# Altium PCB CMRat_GEN2.8.PcbDoc (part 2 of 4)
Units mm, origin at the board's own origin, x right, y up, seen from the top; angles counter-clockwise.
Board outline 120 x 55 mm, 4 copper layers (L1 [TOP], L2, L3, L4 [BOT]), stack 1.564 mm thick; 209 components, 138 nets, 839 pads, 645 vias.
Unrouted connection lines stored in the file: 141.
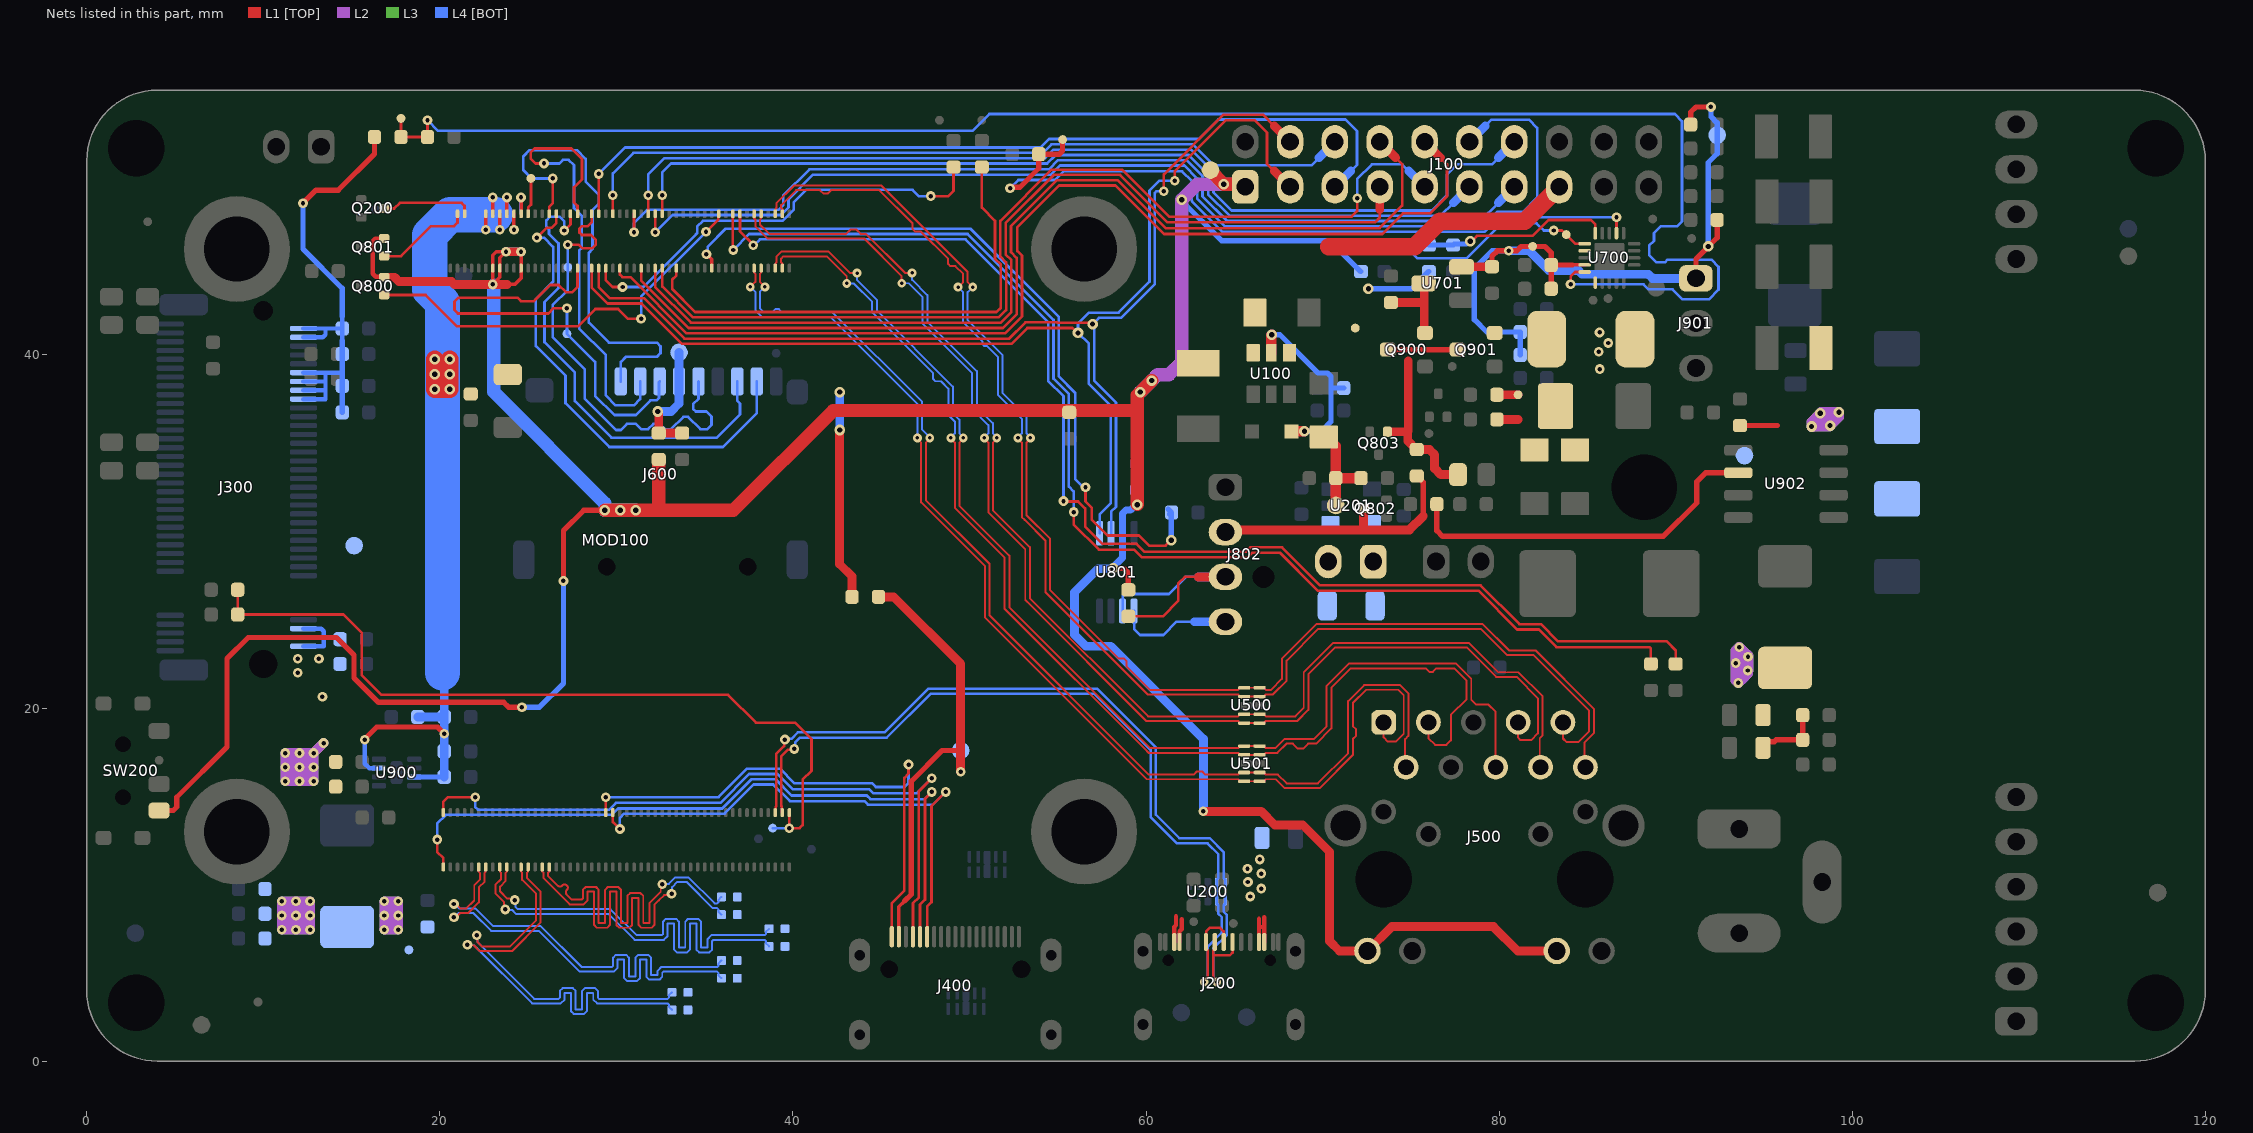
[diagram p4: the nets of this part, all layers, seen from the top]

## Via types
v1: diameter 0.55, hole 0.25, L1 [TOP] to L4 [BOT], 273 vias
v2: diameter 0.6, hole 0.3, L1 [TOP] to L4 [BOT], 225 vias
v3: diameter 0.5, hole 0.2, L1 [TOP] to L4 [BOT], 77 vias
v4: diameter 0.6, hole 0.3, L1 [TOP] to L4 [BOT], tented both sides, 70 vias

## Nets (pads, with @x,y where several pads share a name; then routed paths per layer and width w, separated by ;. In a path a pad name is that pad's centre, name@x,y a point inside that pad or via, vN(x,y) a via of type N, cw(c..) or ccw(c..) an arc to the next point about the centre after c; other vN are vias at no path point) (continued)
+3V3: C800.2 J100.1 J500.15 J500.17 MOD100.78 MOD100.84 MOD100.86 Q800.2 Q801.2 R400.2 R600.2 R701.1 R801.2 SW200.3 TP922.1 U801.3 | length 210.5
  L1 [TOP] w0.2: 23.8,43.995 24.245,43.995 24.6,44.35 MOD100.78@24.6,44.92 v1(24.6,45.845) v1@24.6,45.85 ; v1(23,43.995) 23.4,44.395 MOD100.84@23.4,44.92 23.4,45.5 v1(23.75,45.85) 23.2,45.85 23,45.65 MOD100.86@23,44.92 v1(23,43.995)
  L1 [TOP] w0.25: Q800.2@16.85,44.4 16.82,44.43 16.373,44.43 16.198,44.606 16.198,46.452 16.345,46.6 Q801.2@16.85,46.6
  L1 [TOP] w0.3: SW200.3@4.1,14.2 4.9,14.2 5.1,14.4 5.1,14.95 7.95,17.8 7.95,22.8 9.15,24 14.14,24 15.141,22.999 15.141,21.705 16.521,20.325 23.623,20.325 23.898,20.05 v1(24.65,20.05) ; v1(27,27.2) 27,30.05 28.15,31.2 v2(29.35,31.2) ; v2@58.15,27.9 58.75,27.9 59,27.65 R801.2@59,26.7
  L1 [TOP] w0.5: Q800.2@16.85,44.4 17.445,44.4 17.682,44.164 20.661,44.164 20.825,44 22.995,44 v1(23,43.995) 23.8,43.995 ; v1(23.75,45.85) v1@24.595,45.85 ; 32.35,31.35 32.4,31.3 32.5,31.2 ; v1(63.25,14.15) 66.525,14.15 67.3,13.375 68.875,13.375 70.4,11.85 70.4,6.8 70.96,6.24 J500.15@72.545,6.24 73.925,7.62 79.68,7.62 81.06,6.24 J500.17@83.265,6.24
  L1 [TOP] w0.75: v2(29.35,31.2) v2(30.225,31.2) v2(31.1,31.2) 32.5,31.2 36.625,31.2 42.275,36.85 59.5,36.85 ; 32.4,31.3 R600.2@32.4,34.075 ; v2(59.501,31.525) 59.5,31.526 59.5,36.85 ; v4(60.325,38.55) 59.5,37.725 59.5,36.85 ; TP922.1@63.626,50.451 v4(64.4,49.677) 65.463,49.677 J100.1@65.62,49.52
  L2 w0.5: v1(23.75,45.85) 23.753,45.848 24.598,45.848 v1(24.6,45.845)
  L2 w0.75: v2(29.35,31.2) v2(30.225,31.2) v2(31.1,31.2) ; v4(59.675,37.9) v4(60.325,38.55) 60.65,38.875 61.3,38.875 62.025,39.6 v4(62.025,48.8) 62.902,49.677 v4(64.4,49.677) 65.463,49.677 J100.1@65.62,49.52
  L3 w0.5: v1(23.75,45.85) 23.753,45.848 24.598,45.848 v1(24.6,45.845)
  L4 [BOT] w0.25: v2@59.5,31.5 v2(59.501,31.525) C800.2@59.5,32.35
  L4 [BOT] w0.3: v1(24.65,20.05) 25.65,20.05 27,21.4 v1(27,27.2) ; v4(62.025,48.8) 62.025,48.725 64.275,46.475 70.4,46.475 72.15,44.725 R701.1@72.175,44.725
  L4 [BOT] w0.4: v2(58.142,27.915) 58.142,27.983 58.675,28.516 U801.3@58.675,29.9 58.675,31.025 58.874,31.224 59.134,31.224 59.434,31.525 v2(59.501,31.525) v2(59.501,31.525)
  L4 [BOT] w0.5: v2@58.15,27.9 58.14,27.89 57.28,27.89 55.95,26.561 55.95,24.15 56.6,23.5 58,23.5 63.25,18.25 v1(63.25,14.15)
  L4 [BOT] w0.75: v1@23.05,43.945 23.05,37.914 29.35,31.614 v2(29.35,31.2) v2(30.225,31.2) v2(31.1,31.2)
+3V3_PBC: C701.2 C702.2 C704.2 J901.1 R703.2 R711.2 R712.2 R715.2 TP904.1 TP905.1 U700.4 U701.2 | length 44.7
  L1 [TOP] w0.2: 84.15,45.1 U700.4@84.85,45.1
  L1 [TOP] w0.3: C704.2@79.6,45 79.6,45.6 79.9,45.9 v1(80.55,45.9) 81,45.9 81.25,46.15 TP904.1@81.9,46.15 82.6,46.15 82.95,45.8 C701.2@82.95,45.1 ; C702.2@82.95,43.75 C701.2@82.95,45.1 ; 84.15,45.1 C701.2@82.95,45.1 ; R703.2@90.85,53.05 90.85,53.75 91.15,54.05 v1(92,54.05) ; J901.1@91.15,44.34 91.15,45.438 92.35,46.638 R715.2@92.35,47.65
  L1 [TOP] w0.5: U701.2@77.875,45 C704.2@79.6,45
  L4 [BOT] w0.3: v1(80.55,45.9) 79.608,45.9 78.6,44.892 78.6,42 79.3,41.3 R712.2@81.2,41.3 R711.2@81.2,40 ; v2(91.85,46.15) 91.85,50.9 92.35,51.4 TP905.1@92.35,52.45 92.35,53.15 92,53.5 v1(92,54.05)
  L4 [BOT] w0.5: v1(80.55,45.9) 81.7,45.9 82.81,44.79 84.485,44.79 84.699,44.576 88.46,44.576 88.696,44.34 J901.1@91.15,44.34
+3V3_PCIE: C303.2 C304.2 C307.2 C308.2 C309.2 C310.2 C900.2 C912.2 C914.2 C919.2 C920.2 J300.2 J300.4 J300.12 J300.14 J300.16 J300.18 J300.70 J300.72 J300.74 L903.2 R702.1 R904.2 TP303.1 TP304.1 | length 93.8
  L1 [TOP] w0.3: v1(12.25,48.6) 12.988,49.338 14.245,49.338 16.3,51.393 R702.1@16.3,52.35
  L2 w0.55: v1(13.416,18.016) v1(12.85,17.45) ; 11.45,7.45 11.45,9.05 ; 11.45,7.45 v1(11.85,7.45) ; 11.45,7.45 v1(11.05,7.45) v1(11.05,8.25) v1(11.05,9.05) 11.45,9.05 ; 11.45,9.05 v1(11.85,9.05) ; 11.65,15.85 11.65,17.45 ; 11.65,15.85 v1(12.05,15.85) ; 11.65,15.85 v1(11.25,15.85) v1(11.25,16.65) v1(11.25,17.45) 11.65,17.45 ; 11.65,17.45 v1(12.05,17.45) ; v1(11.85,7.45) 12.25,7.45 ; v1(11.85,7.45) v1(11.85,8.25) v1(11.85,9.05) ; v1(11.85,9.05) 12.25,9.05 ; v1(12.05,15.85) 12.45,15.85 ; v1(12.05,15.85) v1(12.05,16.65) v1(12.05,17.45) ; v1(12.05,17.45) 12.45,17.45 ; 12.25,7.45 12.25,9.05 ; 12.25,7.45 v1(12.65,7.45) v1(12.65,8.25) v1(12.65,9.05) 12.25,9.05 ; 12.45,15.85 12.45,17.45 ; 12.45,15.85 v1(12.85,15.85) v1(12.85,16.65) v1(12.85,17.45) ; 12.45,17.45 v1(12.85,17.45) ; 17.25,7.45 17.25,9.05 ; 17.25,7.45 v1(17.65,7.45) v1(17.65,8.25) v1(17.65,9.05) 17.25,9.05 ; 17.25,7.45 v1(16.85,7.45) v1(16.85,8.25) v1(16.85,9.05) 17.25,9.05
  L3 w0.55: v1(13.416,18.016) v1(12.85,17.45) ; 11.45,7.45 11.45,9.05 ; 11.45,7.45 v1(11.85,7.45) ; 11.45,7.45 v1(11.05,7.45) v1(11.05,8.25) v1(11.05,9.05) 11.45,9.05 ; 11.45,9.05 v1(11.85,9.05) ; 11.65,15.85 11.65,17.45 ; 11.65,15.85 v1(12.05,15.85) ; 11.65,15.85 v1(11.25,15.85) v1(11.25,16.65) v1(11.25,17.45) 11.65,17.45 ; 11.65,17.45 v1(12.05,17.45) ; v1(11.85,7.45) 12.25,7.45 ; v1(11.85,7.45) v1(11.85,8.25) v1(11.85,9.05) ; v1(11.85,9.05) 12.25,9.05 ; v1(12.05,15.85) 12.45,15.85 ; v1(12.05,15.85) v1(12.05,16.65) v1(12.05,17.45) ; v1(12.05,17.45) 12.45,17.45 ; 12.25,7.45 v1(12.65,7.45) v1(12.65,8.25) v1(12.65,9.05) 12.25,9.05 ; 12.25,7.45 12.25,9.05 ; 12.45,15.85 12.45,17.45 ; 12.45,15.85 v1(12.85,15.85) v1(12.85,16.65) v1(12.85,17.45) ; 12.45,17.45 v1(12.85,17.45) ; 17.25,7.45 v1(17.65,7.45) v1(17.65,8.25) v1(17.65,9.05) 17.25,9.05 ; 17.25,7.45 v1(16.85,7.45) v1(16.85,8.25) v1(16.85,9.05) 17.25,9.05 ; 17.25,7.45 17.25,9.05
  L4 [BOT] w0.25: J300.74@12.275,23.5 13.425,23.5 13.425,23.927 ; J300.72@12.275,24 13.352,24 13.425,23.927 ; J300.70@12.275,24.5 13.279,24.5 13.425,24.354 13.425,23.927 ; J300.18@12.275,37.5 13.525,37.5 13.525,38 ; J300.16@12.275,38 13.525,38 ; J300.14@12.275,38.5 13.525,38.5 ; J300.12@12.275,39 13.525,39 ; J300.4@12.275,41 13.375,41 13.525,41.15 13.525,41.5 ; J300.2@12.275,41.5 13.525,41.5 ; 14.475,39 13.525,39 ; 14.475,40.8 14.475,42.2 ; C304.2@14.475,41.5 13.525,41.5 ; 13.525,38 13.525,38.5 ; 13.525,38.5 13.525,39
  L4 [BOT] w0.3: v1(12.25,48.6) 12.25,46 14.475,43.775 14.475,42.2 ; C308.2@14.475,36.75 C307.2@14.475,38.25 14.475,39 14.475,40.8
  other v1: 13.349,20.643 11.95,22 11.95,22.8 13.15,22.8
+3V3_SD: C613.2 J600.4 R600.1 TP603.1 | length 6.9
  L1 [TOP] w0.5: v4(32.35,36.8) 32.35,36.773 32.4,36.723 R600.1@32.4,35.575 C613.2@33.725,35.575
  L4 [BOT] w0.5: v4(32.35,36.8) 33.1,36.8 33.55,37.25 TP603.1@33.55,40.15
+5V: C100.2 C903.2 C915.2 C916.2 C917.2 C918.2 J100.15 L902.1 LED900.2 MOD100.77 MOD100.79 MOD100.81 MOD100.83 MOD100.85 MOD100.87 Q803.1 Q900.3 Q901.3 R100.1 R401.2 R700.1 R807.2 TP900.1 U100.4 U100.6 U900.3 U900.7 | length 114.5
  L1 [TOP] w0.2: v1(22.6,47.1) MOD100.87@22.6,48 ; MOD100.85@23,48 v1(23,48.925) v1@23,48.95 ; v1(23.4,47.1) MOD100.83@23.4,48 ; MOD100.81@23.8,48 v1(23.8,48.925) ; v1(24.2,47.1) MOD100.79@24.2,48 ; MOD100.77@24.6,48 v1(24.6,48.925) v1@24.6,48.95
  L1 [TOP] w0.3: v1(15.75,18.2) 15.75,18.249 16.426,18.925 19.875,18.925 v1(20.25,18.55) ; v2@20.55,38.039 v2(20.565,38.054) ; Q900.3@73.7,40.3 Q901.3@77.65,40.3
  L1 [TOP] w0.5: v2(42.65,35.75) 42.638,35.738 42.638,28.163 43.35,27.45 R401.2@43.35,26.3 ; Q803.1@73.675,35.6 Q803.1@73.675,35.65 74.825,35.65 ; 74.85,39.65 74.85,35.675 74.825,35.65 ; R807.2@75.339,34.647 75.314,34.647 74.825,35.136 74.825,35.65 ; R807.2@75.364,34.647 75.371,34.64 76.057,34.64 76.35,34.347 76.35,33.575 76.7,33.225 LED900.2@77.675,33.225 LED900.2@77.732,33.168 ; U100.6@66.012,40.188 66.012,40.313 66.075,40.25 U100.6@66.075,40.125 U100.6@66.012,40.188
  L1 [TOP] w1: v2(19.715,39.754) v2(19.715,38.904) ; v2(20.565,39.754) v2(20.565,38.904) ; 70.357,46.125 75.209,46.125 76.654,47.57 81.45,47.57 82.95,49.07 83.015,49.07 83.4,49.455 J100.15@83.4,49.52 ; v2(19.715,38.904) v2(20.565,38.904) ; v2(19.715,38.904) v2(19.715,38.054) v2(20.565,38.054) v2(20.565,38.904)
  L2 w0.6: 20.14,38.054 20.14,39.754 ; 20.14,38.054 v2(20.565,38.054) v2(20.565,38.904) v2(20.565,39.754) 20.14,39.754 ; 20.14,38.054 v2(19.715,38.054) v2(19.715,38.904) v2(19.715,39.754) 20.14,39.754
  L3 w0.6: 20.14,38.054 v2(20.565,38.054) v2(20.565,38.904) v2(20.565,39.754) 20.14,39.754 ; 20.14,38.054 v2(19.715,38.054) v2(19.715,38.904) v2(19.715,39.754) 20.14,39.754 ; 20.14,38.054 20.14,39.754
  L4 [BOT] w0.25: v1(15.75,18.2) 15.75,16.85 16,16.6 U900.7@16.55,16.6 ; 24.6,48.05 v1(24.6,48.925)
  L4 [BOT] w0.3: U900.3@18.55,16.1 C916.2@20.25,16.1 ; v4(72.6,43.75) 75.025,43.75 76,44.725 R700.1@76.025,44.725
  L4 [BOT] w0.5: C918.2@18.75,19.5 C917.2@20.25,19.5 ; C916.2@20.25,16.1 C917.2@20.25,19.5 ; 20.25,21.25 C917.2@20.25,19.5 ; v2(42.65,35.75) v2(42.65,37.9)
  L4 [BOT] w2: 20.15,22 20.15,42.978 19.429,43.699 19.429,46.793 20.586,47.95 23.15,47.95
+5V_FUS: C703.2 C901.2 C902.2 C906.2 D900.1 FUS900.2 Q900.2 Q901.2 R900.2 TP902.1 U701.3 | length 7.1
  L1 [TOP] w0.5: C703.2@73.875,42.975 75.762,42.975 ; U701.3@75.725,44.05 75.762,44.013 75.762,42.975 ; Q900.2@75.8,41.25 75.762,41.288 75.762,42.975 ; R900.2@79.875,36.35 81.075,36.35 ; C901.2@79.875,37.75 TP902.1@81.075,37.75
+5V_HDMI: J400.18 R401.1 TP409.1 | length 26.1
  L1 [TOP] w0.2: J400.18@46,7.05 46,8.75 46.325,9.075
  L1 [TOP] w0.3: 46.325,9.075 46.7,9.45 46.7,15.85 48.45,17.6 49.5,17.6
  L1 [TOP] w0.5: R401.1@44.85,26.3 45.7,26.3 49.5,22.5 49.5,17.6 ; v1(49.5,16.4) 49.5,17.575
  L4 [BOT] w0.3: v1(49.5,16.4) TP409.1@49.5,17.6
+5V_IN: C907.2 C908.2 C909.2 FUS900.1 J201.1 L900.2 R204.2 R914.2 TP903.1 U201.5 | length 16.6
  L1 [TOP] w0.3: C908.2@94.95,17.75 94.95,17.82 95.223,18.093 95.593,18.093 95.7,18.2 R914.2@97.2,18.2 C907.2@97.2,19.6
  L2 w0.6: 93.82,21.695 94.091,21.966 v1(94.091,22.129) 94.1,22.139 v1(94.1,22.9) 94.1,22.95 93.85,23.2 ; 93.82,21.695 v1(93.55,21.425) 93.4,21.575 v1(93.4,22.55) 93.4,23.25 v1(93.6,23.45) 93.85,23.2 ; 93.82,21.695 93.82,23.17 93.85,23.2
  L3 w0.6: v1(93.55,21.425) 93.55,22.9 93.85,23.2 ; v1(93.55,21.425) 94.091,21.966 v1(94.091,22.129) 94.1,22.139 v1(94.1,22.9) 94.1,22.95 93.85,23.2 ; v1(93.55,21.425) 93.4,21.575 v1(93.4,22.55) 93.4,23.25 v1(93.6,23.45) 93.85,23.2
  L4 [BOT] w0.3: J201.1@72.87,28.3 J201.1@72.92,28.25
  other v1: 85.7,39.2 85.641,40.179 86.191,40.679 85.691,41.279
+5V_USB: C200.2 J200.A4 J200.A9 J200.B4 J200.B9 J201.2 R204.1 U201.1 | length 5.9
  L1 [TOP] w0.25: J200.A4@61.6,6.75 61.6,7.6 61.7,7.7 61.7,8.2 ; J200.B9@61.9,6.75 61.9,7.35 62.022,7.472 62.022,8.034 ; J200.B4@66.4,6.75 66.4,7.6 ; 66.4,8.075 66.4,7.6 ; J200.A9@66.7,6.75 66.7,8.15 ; 66.7,7.6 66.4,7.6
  other v1: 65.9,9.325 66.525,9.775 65.775,10.15 66.525,10.625 65.75,10.9 66.45,11.425
+12V_AUX: C904.2 C905.1 D904.K R803.2 R902.1 TP925.1 U100.5 | length 17.1
  L1 [TOP] w0.6: U100.5@67.1,40.125 67.1,41.125 v4(67.125,41.15) ; D904.K@68.25,35.675 v4(68.975,35.675) ; C904.2@70.075,35.35 69.925,35.2 70.375,35.2 70.75,34.825 C905.1@70.75,33.025 ; TP925.1@70.75,31.475 C905.1@70.75,33.025 ; C905.1@70.775,33.05 C905.1@70.75,33.025 ; R803.2@72.175,33.025 C905.1@70.75,33.025
  L4 [BOT] w0.3: v4(67.125,41.15) 67.13,41.145 67.58,41.145 69.75,38.975 70.275,38.975 70.475,38.775 70.475,38.15 ; v4(68.975,35.675) 69.925,35.675 70.475,36.225 70.475,38.15 ; R902.1@71.2,38.125 70.5,38.125 70.475,38.15
+12V_IN: C910.2 D901.1 D902.1 R806.2 R913.2 U902.2 | length 34.5
  L1 [TOP] w0.3: R806.2@76.475,31.55 76.475,30.05 76.8,29.725 89.294,29.725 91.2,31.631 91.2,32.825 91.71,33.335 U902.2@93.55,33.335 ; R913.2@93.65,36 95.75,36
  L2 w0.6: v2(97.7,35.95) v2@97.71,35.96 ; v2(99.25,36.75) v2@99.24,36.74 ; v2@97.71,35.96 98.203,35.96 ; v2@97.71,35.96 97.71,36.196 v2@98.022,36.509 ; v2@98.022,36.509 v2@98.203,36.509 ; v2@98.022,36.509 98.2,36.686 v2(98.2,36.7) ; v2(98.2,36.7) 98.203,36.697 v2@98.203,36.509 ; v2(98.2,36.7) 98.214,36.7 98.254,36.74 v2@99.24,36.74 ; 98.203,35.96 v2@98.203,36.509 ; 98.203,35.96 98.696,35.96 98.736,36 v2(98.75,36) 98.75,36.014 98.995,36.259 ; v2@98.203,36.509 98.745,36.509 98.995,36.259 ; 98.995,36.259 99.24,36.504 v2@99.24,36.74
  L3 w0.6: v2(97.7,35.95) v2@97.71,35.96 ; v2@97.71,35.96 98.203,35.96 ; v2@97.71,35.96 97.71,36.196 v2@98.2,36.686 ; v2@98.2,36.686 v2@98.203,36.684 ; v2@98.2,36.686 v2(98.2,36.7) ; v2(98.2,36.7) 98.203,36.697 v2@98.203,36.684 ; v2(98.2,36.7) 98.21,36.71 99.196,36.71 99.236,36.75 v2(99.25,36.75) 99.24,36.74 99.24,36.504 98.75,36.014 v2(98.75,36) ; 98.203,35.96 v2@98.203,36.684 ; 98.203,35.96 98.696,35.96 98.736,36 v2(98.75,36) ; v2@98.203,36.684 98.74,36.146 98.74,36.01 v2(98.75,36)
ADC_1V8_CM4: U700.2
ADC_3V3_CM4: R701.2 R706.2 TP913.1 U700.1 | length 14.2
  L1 [TOP] w0.15: v1(83.1,47.05) 83.565,47.05 84.315,46.3 U700.1@84.85,46.3 ; TP913.1@83.809,46.819 TP913.1@83.812,46.823
  L4 [BOT] w0.15: R706.2@73.5,46.225 74.625,46.225 75.375,45.475 78.146,45.475 80.129,47.458 82.132,47.458 82.54,47.05 v1(83.1,47.05)
  L4 [BOT] w0.3: R701.2@72.225,46.225 R706.2@73.5,46.225
ADC_3V3_PCIE: R702.2 R707.2 TP914.1 U700.5 | length 100.2
  L1 [TOP] w0.15: TP914.1@17.8,53.4 R702.2@17.8,52.35 R707.2@19.3,52.35 v1(19.3,53.3) ; v1(84.05,44) 84.05,44.45 84.3,44.7 U700.5@84.85,44.7
  L4 [BOT] w0.15: v1(19.3,53.3) 19.906,52.694 50.169,52.694 51.124,53.649 89.951,53.649 90.363,53.237 90.363,47.563 90.094,47.294 89.162,47.294 88.776,46.909 88.776,46.467 88.5,46.191 88.5,45.675 88.925,45.25 89.386,45.25 89.539,45.403 92.025,45.403 92.432,44.995 92.432,43.696 91.886,43.15 90.4,43.15 89.831,43.719 88.463,43.719 88.182,44 v1(84.05,44)
ADC_5V0_CM4: R700.2 R705.1 U700.20 | length 10.6
  L1 [TOP] w0.15: v4(78.364,46.436) 78.436,46.436 78.75,46.75 81.9,46.75 82.8,47.65 85.2,47.65 85.45,47.4 U700.20@85.45,46.9
  L4 [BOT] w0.3: R700.2@76.025,46.225 R705.1@77.4,46.225 77.463,46.288 78.135,46.288 78.283,46.436 v4(78.364,46.436)
ADC_5V0_USB: U700.6
BOOT_MODE: MOD100.93 Q200.3 | length 5.2
  L1 [TOP] w0.15: Q200.3@16.85,48.3 17.415,48.3 17.736,48.62 21.23,48.62 21.4,48.45 MOD100.93@21.4,48
CM4_BOOT: R710.2 TP919.1 U700.17 | length 43
  L1 [TOP] w0.15: U700.17@86.65,46.9 v1(86.65,47.8)
  L1 [TOP] w0.3: v1(52.3,49.45) 52.348,49.498 52.848,49.498 53.925,50.575 R710.2@53.925,51.375 55.099,51.375 55.275,51.551 TP919.1@55.275,52.2
  L4 [BOT] w0.15: v1(52.3,49.45) 52.766,49.916 54.841,49.916 55.325,50.4 62.05,50.4 62.6,49.85 62.6,48.73 62.625,48.705 62.625,48.673 64.321,46.977 79.187,46.977 80.01,47.8 v1(86.65,47.8)
CM4_PB_RX: MOD100.34 R708.2 | length 29
  L1 [TOP] w0.15: MOD100.34@33.4,44.92 33.4,44.5 33.165,44.265 33.165,43.732 34.465,42.432 51.532,42.432 51.775,42.675 51.775,45.125 51.45,45.45 51.45,47.6 50.7,48.35 R708.2@50.7,50.65
CM4_PB_TX: MOD100.54 R709.2 | length 24.9
  L1 [TOP] w0.15: MOD100.54@29.4,44.92 29.4,44.227 29.777,43.85 v1(30.35,43.85) ; v1(47.8,49) 48.806,49 49.1,49.294 R709.2@49.1,50.65
  L4 [BOT] w0.15: v1(30.35,43.85) 31.526,43.85 34.513,46.837 34.575,46.9 34.575,47.275 34.9,47.6 39.418,47.6 40.05,48.232 40.05,48.652 40.748,49.35 46.772,49.35 47.122,49 v1(47.8,49)
CM_GPIO17: J100.10 MOD100.50 | length 61
  L1 [TOP] w0.15: MOD100.50@30.2,44.92 30.2,44.548 30.343,44.404 30.796,44.404 33.972,41.229 52.026,41.229 52.975,42.178 52.975,45.622 52.712,45.885 52.712,47.237 55.075,49.6 58.275,49.6 61.02,46.855 73.395,46.855 74.56,48.02 76.079,48.02 77.05,48.991 77.05,50.8 76.68,51.17
  L1 [TOP] w0.5: J100.10@75.78,52.07 76.68,51.17
CM_GPIO24: J100.13 MOD100.45 | length 56.1
  L1 [TOP] w0.15: v1(31,46.95) MOD100.45@31,48
  L4 [BOT] w0.15: v1(31,46.95) 31,47.476 31.759,48.235 39.205,48.235 39.45,48.48 39.45,49.024 40.942,50.516 54.496,50.516 55.012,51.032 62.296,51.032 63.2,50.128 63.2,48.99 64.603,47.588 78.928,47.588 79.96,48.62
  L4 [BOT] w0.5: 79.96,48.62 J100.13@80.86,49.52
CM_GPIO25: J100.14 MOD100.41 | length 56.3
  L1 [TOP] w0.15: MOD100.41@31.8,48 v1(31.8,49.05)
  L4 [BOT] w0.15: v1(31.8,49.05) 31.8,50.214 32.736,51.15 54.281,51.15 54.763,51.632 62.545,51.632 63.825,50.351 63.825,49.214 64.851,48.188 76.188,48.188 77.05,49.05 77.05,50.225 77.625,50.8 79.59,50.8 79.96,51.17
  L4 [BOT] w0.5: 79.96,51.17 J100.14@80.86,52.07
CM_GPIO26: MOD100.24 R207.1 | length 43.3
  L1 [TOP] w0.15: v1(56.575,32.5) 56.575,31.705 56.925,31.355 56.925,30.675 57.825,29.775 59.6,29.775 60.175,29.2 61.112,29.2 61.412,29.5 v4(61.425,29.5)
  L1 [TOP] w0.2: v1(35.1,45.7) 35.121,45.7 35.4,45.421 MOD100.24@35.4,44.92
  L4 [BOT] w0.15: v1(35.1,45.7) 35.177,45.777 35.177,46.134 36.193,47.15 50.05,47.15 55.062,42.138 55.062,38.787 55.989,37.86 55.989,32.978 56.467,32.5 v1(56.575,32.5)
  L4 [BOT] w0.3: R207.1@61.248,31.277 R207.1@61.45,31.075 R207.1@61.437,31.063 ; R207.1@61.349,30.974 R207.1@61.437,31.063 ; v4(61.425,29.5) 61.437,29.512 R207.1@61.437,31.063
CM_HDMI0_CEC: J400.14 MOD100.151 | length 30.4
  L1 [TOP] w0.15: MOD100.151@29.8,14.08 29.8,13.55 v1(30.2,13.15) ; J400.14@47.6,7.05 47.6,8.76 47.846,9.006 47.846,14.446 v1(48.65,15.25)
  L4 [BOT] w0.15: v1(30.2,13.15) 30.2,13.773 30.442,14.015 36.121,14.015 37.774,15.668 38.882,15.668 39.825,14.725 44.047,14.725 44.244,14.528 47.928,14.528 v1(48.65,15.25)
CM_HDMI0_CLK_N: C403.1 MOD100.190 | length 24.5
  L1 [TOP] w0.112: v1(20.8,8.9) 20.919,8.9 21.161,8.657 21.507,8.657 21.95,9.1 21.95,9.964 22.268,10.282 22.268,10.672 22.2,10.74 MOD100.190@22.2,11
  L4 [BOT] w0.112: v1(20.8,8.9) 20.842,8.9 21.085,8.657 22.007,8.657 23.014,7.65 25.6,7.65 25.71,7.65 28.027,5.332 29.613,5.332 29.747,5.332 29.812,5.398 29.812,5.866 29.967,6.021 30.552,6.021 30.707,5.866 30.707,4.808 31.073,4.808 31.073,5.866 31.228,6.021 31.813,6.021 31.968,5.866 31.968,4.884 32.334,4.884 32.334,5.112 32.554,5.332 34,5.332 35.708,5.332 35.774,5.398 35.774,5.524 C403.1@35.95,5.7
CM_HDMI0_CLK_P: C402.1 MOD100.188 | length 25
  L1 [TOP] w0.112: v1(20.8,8.15) 20.919,8.15 21.161,8.393 21.617,8.393 22.214,8.99 22.214,9.855 22.532,10.173 22.532,10.672 22.6,10.74 MOD100.188@22.6,11
  L4 [BOT] w0.112: v1(20.8,8.15) 20.842,8.15 21.085,8.393 21.897,8.393 22.905,7.386 25.6,7.386 27.918,5.068 29.613,5.068 29.856,5.068 30.077,5.288 30.077,5.756 30.443,5.756 30.443,4.698 30.598,4.543 31.183,4.543 31.338,4.698 31.338,5.756 31.704,5.756 31.704,4.775 31.858,4.62 32.443,4.62 32.598,4.775 32.598,5.002 32.664,5.068 34,5.068 35.708,5.068 35.774,5.002 35.774,4.876 C402.1@35.95,4.7
CM_HDMI0_D0_N: C407.1 MOD100.184 | length 24.7
  L1 [TOP] w0.112: MOD100.184@23.4,11 23.4,10.74 23.468,10.672 23.468,10.318 23.149,9.999 23.149,9.501 23.63,9.02 23.63,8.677 v1(23.714,8.593)
  L4 [BOT] w0.112: v1(23.714,8.593) 23.743,8.563 24.087,8.563 24.302,8.348 29.552,8.348 31.032,6.868 32.442,6.868 32.685,6.868 32.905,7.088 32.905,7.799 33.271,7.799 33.271,6.32 33.426,6.166 34.011,6.166 34.166,6.32 34.166,7.799 34.532,7.799 34.532,6.32 34.687,6.166 35.272,6.166 35.427,6.32 35.427,6.802 35.492,6.868 35.8,6.868 38.408,6.868 38.474,6.802 38.474,6.676 C407.1@38.65,6.5
CM_HDMI0_D0_P: C406.1 MOD100.182 | length 23.9
  L1 [TOP] w0.112: MOD100.182@23.8,11 23.8,10.74 23.732,10.672 23.732,10.208 23.413,9.889 23.413,9.611 23.817,9.207 23.959,9.207
  L4 [BOT] w0.112: v1(24.244,9.123) 24.274,9.094 24.274,8.75 24.412,8.612 29.662,8.612 31.142,7.132 32.442,7.132 32.575,7.132 32.641,7.198 32.641,7.909 32.796,8.064 33.381,8.064 33.536,7.909 33.536,6.43 33.901,6.43 33.901,7.909 34.056,8.064 34.641,8.064 34.796,7.909 34.796,6.43 35.162,6.43 35.162,6.912 35.383,7.132 35.8,7.132 38.408,7.132 38.474,7.198 38.474,7.324 C406.1@38.65,7.5
CM_HDMI0_D1_N: C401.1 MOD100.178 | length 23.9
  L1 [TOP] w0.112: v1(22.093,7.125) 22.122,7.095 22.122,6.752 22.374,6.5 23.978,6.5 25.436,7.957 25.436,9.503 24.668,10.271 24.668,10.672 24.6,10.74 MOD100.178@24.6,11
  L4 [BOT] w0.112: v1(22.093,7.125) 22.122,7.095 22.122,6.752 25.342,3.532 26.6,3.532 26.733,3.532 26.799,3.598 26.799,3.982 26.954,4.136 27.539,4.136 27.694,3.982 27.694,2.937 28.06,2.937 28.06,3.982 28.215,4.136 28.8,4.136 28.955,3.982 28.955,3.598 29.02,3.532 31.5,3.532 32.908,3.532 32.974,3.598 32.974,3.724 C401.1@33.15,3.9
CM_HDMI0_D1_P: C400.1 MOD100.176 | length 24.8
  L1 [TOP] w0.112: v1(21.562,6.594) 21.592,6.565 21.935,6.565 22.264,6.236 24.088,6.236 25.7,7.848 25.7,9.613 24.932,10.38 24.932,10.672 25,10.74 MOD100.176@25,11
  L4 [BOT] w0.112: v1(21.562,6.594) 21.592,6.565 21.935,6.565 25.232,3.268 26.6,3.268 26.843,3.268 27.063,3.488 27.063,3.872 27.429,3.872 27.429,2.828 27.584,2.673 28.169,2.673 28.324,2.828 28.324,3.872 28.69,3.872 28.69,3.488 28.911,3.268 31.5,3.268 32.908,3.268 32.974,3.202 32.974,3.076 C400.1@33.15,2.9
CM_HDMI0_D2_N: C405.1 MOD100.172 | length 23.8
  L1 [TOP] w0.112: MOD100.172@25.8,11 25.8,10.74 25.875,10.665 25.875,10.365 27.355,8.886 27.907,8.886 28.15,8.886 28.37,9.106 28.37,9.599 28.736,9.599 28.736,7.711 28.891,7.556 29.476,7.556 29.631,7.711 29.631,9.599 29.997,9.599 29.997,7.711 30.152,7.556 30.737,7.556 30.892,7.711 30.892,9.255 31.258,9.255 31.258,7.711 31.413,7.556 31.998,7.556 32.153,7.711 32.153,8.853 32.411,9.111 32.7,9.4 33.043,9.4 v1(33.127,9.484)
  L4 [BOT] w0.112: v1(33.127,9.484) 33.157,9.513 33.157,9.857 33.45,10.15 33.973,10.15 35.455,8.668 35.708,8.668 35.774,8.602 35.774,8.476 C405.1@35.95,8.3
CM_HDMI0_D2_P: C404.1 MOD100.170 | length 23.8
  L1 [TOP] w0.112: MOD100.170@26.2,11 26.2,10.74 26.139,10.679 26.139,10.475 26.413,10.201 26.453,10.162 26.67,9.945 ccw(c26.799,10.074) 26.928,9.945 26.938,9.954 cw(c27.067,9.824) 27.197,9.954 cw(c27.067,9.824) 27.197,9.695 27.187,9.686 ccw(c27.317,9.556) 27.187,9.427 27.446,9.168 27.464,9.15 27.507,9.15 27.907,9.15 28.04,9.15 28.106,9.216 28.106,9.709 28.261,9.864 28.846,9.864 29.001,9.709 29.001,7.821 29.367,7.821 29.367,9.709 29.522,9.864 30.107,9.864 30.262,9.709 30.262,7.821 30.628,7.821 30.628,9.364 30.783,9.519 31.368,9.519 31.522,9.364 31.522,7.821 31.888,7.821 31.888,8.962 32.411,9.485 32.513,9.587 32.513,9.93 v1(32.597,10.014)
  L4 [BOT] w0.112: v1(32.597,10.014) 32.626,10.044 32.97,10.044 33.34,10.414 34.083,10.414 35.565,8.932 35.708,8.932 35.774,8.998 35.774,9.124 C404.1@35.95,9.3
CM_HDMI0_HPD: J400.19 MOD100.153 | length 30.4
  L1 [TOP] w0.15: MOD100.153@29.4,14.08 v1(29.4,14.95) ; J400.19@45.6,7.05 45.6,8.95 46.308,9.659 46.308,16.05 46.55,16.291 v1(46.55,16.8)
  L4 [BOT] w0.15: v1(29.4,14.95) 35.784,14.95 37.402,16.568 39.255,16.568 40.073,15.75 44.472,15.75 44.697,15.525 46.314,15.525 46.55,15.761 v1(46.55,16.8)
CM_HDMI0_SCL: J400.15 MOD100.200 | length 40.8
  L1 [TOP] w0.15: v1(19.85,12.55) 19.85,11.85 20.2,11.5 MOD100.200@20.2,11 ; J400.15@47.2,7.05 47.2,8.86 47.486,9.146 47.486,14.863 v1(47.872,15.25)
  L4 [BOT] w0.15: v1(19.85,12.55) 19.85,13.45 20.35,13.95 29.733,13.95 30.098,14.315 35.997,14.315 37.65,15.968 39.006,15.968 39.924,15.05 44.182,15.05 44.395,14.837 47.46,14.837 v1(47.872,15.25)
CM_HDMI0_SDA: J400.16 MOD100.199 | length 40.1
  L1 [TOP] w0.15: MOD100.199@20.2,14.08 20.2,14.7 20.45,14.95 v1(22,14.95) ; J400.16@46.8,7.05 46.8,8.95 47.132,9.282 47.132,15.288 v1(47.872,16.028)
  L4 [BOT] w0.15: v1(22,14.95) 22,14.4 22.15,14.25 29.602,14.25 29.98,14.628 35.887,14.628 37.526,16.268 39.131,16.268 39.999,15.4 44.327,15.4 44.546,15.181 47.026,15.181 v1(47.872,16.028)
CM_I2C_SCL: J100.4 MOD100.56 U801.2 | length 63.5
  L1 [TOP] w0.15: MOD100.56@29,44.92 29,43.84 29.618,43.223 31.553,43.223 33.848,40.929 52.254,40.929 53.175,41.85 54.964,41.85 54.989,41.825 56.9,41.825 v4(56.975,41.75) ; v1(61,49.275) 61.015,49.29 61.015,50.225 64.401,53.611 66.619,53.611 67.26,52.97
  L1 [TOP] w0.5: 67.26,52.97 J100.4@68.16,52.07
  L4 [BOT] w0.15: U801.2@58.025,29.9 58.025,31.125 58.3,31.4 58.3,37.3 57.059,38.541 57.059,41.666 v4(56.975,41.75) 57.325,42.1 58.575,42.1 60.5,44.025 60.5,49.187 60.588,49.275 v1(61,49.275)
CM_I2C_SDA: J100.3 MOD100.58 U801.1 | length 66.1
  L1 [TOP] w0.15: MOD100.58@28.6,44.92 28.6,43.816 29.5,42.916 31.434,42.916 33.722,40.629 52.378,40.629 53.274,41.525 55.837,41.525 56.112,41.25 v4(56.15,41.25) ; v1(61.625,49.861) 61.625,50.4 64.513,53.288 66.162,53.288 66.85,52.6 66.85,50.83 67.26,50.42
  L1 [TOP] w0.5: 67.26,50.42 J100.3@68.16,49.52
  L4 [BOT] w0.15: U801.1@57.375,29.9 57.375,30.975 58,31.6 58,37.128 56.759,38.37 56.759,40.641 v4(56.15,41.25) 56.15,41.775 56.775,42.4 58.45,42.4 60.2,44.15 60.2,49.311 60.75,49.861 v1(61.625,49.861)
CM_nACT: MOD100.21 Q800.1 | length 23.7
  L1 [TOP] w0.15: Q800.1@16.85,43.4 19.2,43.4 20.981,41.619 27.819,41.619 28.807,42.607 30.097,42.607 30.654,42.05 v1(31.4,42.05) ; v1(35.075,46.975) 35.775,47.675 35.775,47.975 MOD100.21@35.8,48
  L4 [BOT] w0.15: v1(31.4,42.05) 31.4,43.3 v1(35.075,46.975)
CM_nPWR: MOD100.95 Q801.1 | length 5.4
  L1 [TOP] w0.15: Q801.1@16.85,45.6 17.811,45.6 19.511,47.3 20.8,47.3 21,47.5 MOD100.95@21,48
CM_SD_CLK: J600.5 MOD100.57 TP602.1 | length 27
  L1 [TOP] w0.15: v1(27.25,46.25) 27.86,46.25 28.06,46.05 28.642,46.05 28.839,46.247 28.839,46.522 28.561,46.8 28.042,46.8 27.913,46.929 27.913,47.153 28.06,47.3 28.386,47.3 28.6,47.514 MOD100.57@28.6,48
  L4 [BOT] w0.15: v1(27.25,46.25) TP602.1@27.25,44.971 27.25,43.692 26.387,42.829 26.387,41.013 28.2,39.2 28.2,37.535 29.985,35.75 30.25,35.75 30.6,36.1 31.1,36.1 31.4,35.8 31.8,35.8 32.1,36.1 32.45,36.1 32.75,35.8 33.1,35.8 33.8,36.5 34.064,36.5 34.763,35.801 35.155,35.801 35.388,36.035 35.388,36.513 35.101,36.8 34.5,36.8 34.35,36.95 34.35,37.22 34.65,37.52 J600.5@34.65,38.5
CM_SD_CMD: J600.3 MOD100.62 TP600.1 | length 27
  L1 [TOP] w0.15: v1(27.2,42.65) 26.45,42.65 26.15,42.35 21.022,42.35 20.827,42.545 20.827,43.029 21.048,43.25 24.4,43.25 24.6,43.05 25.325,43.05 26.242,43.967 26.733,43.967 27.142,43.558 27.508,43.558 27.8,43.85 MOD100.62@27.8,44.92
  L4 [BOT] w0.15: v1(27.2,42.65) TP600.1@27.2,41.2 28.8,39.6 28.8,37.69 29.89,36.6 31.1,36.6 31.93,37.43 32.28,37.43 32.413,37.563 32.413,38.463 J600.3@32.45,38.5
CM_SD_DAT0: J600.7 MOD100.63 | length 27.1
  L1 [TOP] w0.15: v1(27.05,47.05) 27.4,47.4 MOD100.63@27.4,48
  L4 [BOT] w0.15: v1(27.05,47.05) 27.05,47.562 26.781,47.831 26.238,47.831 26.031,47.624 26.031,47.269 26.186,47.114 26.186,46.861 26.721,46.326 26.721,43.79 25.927,42.996 25.927,40.723 27.65,39 27.65,37.38 29.711,35.318 35.694,35.318 37.004,36.628 37.004,37.246 36.85,37.4 J600.7@36.85,38.5
CM_SD_DAT1: J600.8 MOD100.67 | length 27.5
  L1 [TOP] w0.15: v1(25.5,46.65) 26.05,47.2 26.323,47.2 26.6,47.477 MOD100.67@26.6,48
  L4 [BOT] w0.15: v1(25.5,46.65) 25.504,46.646 25.904,46.646 26.421,46.129 26.421,44.148 25.44,43.167 25.44,40.508 27.115,38.833 27.115,37.269 29.597,34.786 36.038,34.786 37.95,36.698 J600.8@37.95,38.5
CM_SD_DAT2: J600.1 MOD100.69 | length 27
  L1 [TOP] w0.15: MOD100.69@26.2,48 26.2,48.4 26.4,48.6 v1(26.4,50)
  L4 [BOT] w0.15: v1(26.4,50) 25.203,50 24.725,50.478 24.725,51.255 25.07,51.6 27.761,51.6 28.262,51.098 28.262,49.838 29,49.1 29,48.55 28.65,48.2 28.65,46 28.441,45.791 28.441,41.835 29.576,40.7 32.294,40.7 32.5,40.494 32.5,40.1 32.3,39.9 30.55,39.9 30.25,39.6 J600.1@30.25,38.5
CM_SD_DAT3: J600.2 MOD100.61 | length 27
  L1 [TOP] w0.15: v1(25.9,50.85) 25.417,50.85 25.141,51.126 25.141,51.473 25.369,51.7 27.45,51.7 28.05,51.1 28.05,49.95 27.6,49.5 27.6,48.65 27.8,48.45 MOD100.61@27.8,48
  L4 [BOT] w0.15: v1(25.9,50.85) 26.775,50.85 26.975,51.05 27.3,51.05 27.6,50.75 27.6,48.32 28.046,47.873 28.046,46.069 27.893,45.916 27.893,41.507 29.4,40 29.4,37.71 29.96,37.15 31,37.15 31.35,37.5 J600.2@31.35,38.5
CM_SD_PWR_ON: MOD100.75 TP601.1 | length 2.1
  L1 [TOP] w0.15: MOD100.75@25,48 25,48.35 25.161,48.511 TP601.1@25.161,50
CM_SPI0_CE0: J100.12 MOD100.39 | length 64.1
  L1 [TOP] w0.15: v1(32.2,46.95) MOD100.39@32.2,48
  L4 [BOT] w0.15: v1(32.2,46.95) 33.177,47.927 39.321,47.927 39.75,48.356 39.75,48.82 41.145,50.216 54.62,50.216 55.136,50.732 62.172,50.732 62.9,50.004 62.9,48.854 64.466,47.288 79.073,47.288 79.891,48.105 81.345,48.105 82.16,48.92 82.16,52.87 81.7,53.33 79.58,53.33 79.22,52.97
  L4 [BOT] w0.5: J100.12@78.32,52.07 79.22,52.97
CM_SPI0_CE1: J100.11 MOD100.37 | length 51.2
  L1 [TOP] w0.15: MOD100.37@32.6,48 v1(32.6,49.05)
  L4 [BOT] w0.15: v1(32.6,49.05) 32.6,50.352 33.098,50.85 54.406,50.85 54.888,51.332 62.42,51.332 63.525,50.227 63.525,49.09 64.727,47.888 76.688,47.888 77.42,48.62
  L4 [BOT] w0.5: 77.42,48.62 J100.11@78.32,49.52
CM_SPI0_MISO: J100.7 MOD100.40 | length 52.8
  L1 [TOP] w0.15: MOD100.40@32.2,44.92 32.2,43.849 34.22,41.829 51.777,41.829 52.375,42.426 52.375,45.374 52.05,45.699 52.05,47.475 54.775,50.2 58.524,50.2 61.207,47.517 72.964,47.517 73.24,47.793 73.24,48.247
  L1 [TOP] w0.5: 73.24,48.247 J100.7@73.24,49.52
CM_SPI0_MOSI: J100.8 MOD100.44 | length 57.6
  L1 [TOP] w0.15: MOD100.44@31.4,44.92 31.4,44.225 34.096,41.529 51.901,41.529 52.675,42.302 52.675,45.498 52.35,45.823 52.35,47.299 54.951,49.9 58.399,49.9 61.113,47.186 73.226,47.186 74.506,48.466 74.506,50.804 74.14,51.17
  L1 [TOP] w0.5: J100.8@73.24,52.07 74.14,51.17
CM_SPI0_SCLK: J100.9 MOD100.38 | length 55.8
  L1 [TOP] w0.15: MOD100.38@32.6,44.92 32.6,43.873 34.345,42.129 51.653,42.129 52.075,42.551 52.075,45.249 51.75,45.574 51.75,47.599 54.651,50.5 58.648,50.5 61.313,47.835 71.652,47.835 71.96,48.143 v1(71.96,48.87)
  L4 [BOT] w0.15: v1(71.96,48.87) 71.96,49.959 72.796,50.794 74.506,50.794 74.88,50.42
  L4 [BOT] w0.5: 74.88,50.42 J100.9@75.78,49.52
CM_UART_RX: J100.6 MOD100.51 | length 44.9
  L1 [TOP] w0.15: MOD100.51@29.8,48 v1(29.8,49.05)
  L4 [BOT] w0.15: v1(29.8,49.05) 29.8,50.288 30.962,51.45 54.157,51.45 54.639,51.932 62.674,51.932 63.861,50.745 69.375,50.745 69.8,51.17
  L4 [BOT] w0.5: 69.8,51.17 J100.6@70.7,52.07
CM_UART_TX: J100.5 MOD100.55 | length 50.4
  L1 [TOP] w0.15: MOD100.55@29,48 v1(29,50.256)
  L4 [BOT] w0.15: v1(29,50.256) 30.494,51.75 54.033,51.75 54.515,52.232 62.989,52.232 64.096,53.339 71.291,53.339 71.95,52.68 71.95,50.77 71.6,50.42
  L4 [BOT] w0.5: J100.5@70.7,49.52 71.6,50.42
CM_USB_D_N: J200.A7 J200.B7 MOD100.103 U200.2 U200.9 | length 48.2
  L1 [TOP] w0.141: MOD100.103@39.4,14.08 39.373,14.107 39.373,14.413 39.347,14.44 39.347,17.276 39.713,17.642 40.036,17.642 v1(40.077,17.684) ; v3(63.303,4.479) 63.303,4.538 63.507,4.741 ; 63.503,4.741 63.503,6.259 63.4,6.362 J200.B7@63.4,6.75 63.4,7.35 63.6,7.55 64.2,7.55 64.4,7.35 J200.A7@64.4,6.75
  L4 [BOT] w0.141: v1(40.077,17.684) 40.119,17.725 40.119,18.048 40.396,18.325 45.315,18.325 47.797,20.807 57.093,20.807 60.264,17.636 60.264,13.837 61.764,12.338 63.488,12.338 64.103,11.722 64.103,10.378 64,10.275 U200.9@64,10.038 U200.2@64,9.163 64,8.925 64.103,8.822 64.103,8.342 64.291,8.154 64.291,7.277 63.507,6.492 63.507,4.741 63.303,4.538 v3(63.303,4.479)
CM_USB_D_P: J200.A6 J200.B6 MOD100.105 U200.1 U200.10 | length 48.6
  L1 [TOP] w0.141: MOD100.105@39,14.08 39.027,14.107 39.027,14.413 39.053,14.44 39.053,17.398 39.505,17.85 39.505,18.173 v1(39.547,18.214) ; J200.A6@63.9,6.75 63.9,6.362 63.8,6.262 63.8,6 ; v3(64.003,4.479) 64.003,4.538 63.8,4.741 63.8,6 ; J200.B6@64.9,6.75 64.9,6.15 64.75,6 63.8,6
  L4 [BOT] w0.141: v1(39.547,18.214) 39.588,18.256 39.911,18.256 40.274,18.618 45.193,18.618 47.675,21.1 57.215,21.1 60.558,17.757 60.558,13.959 61.886,12.631 63.609,12.631 64.397,11.843 64.397,11.722 64.397,10.378 64.5,10.275 U200.10@64.5,10.038 U200.1@64.5,9.163 64.5,8.925 64.397,8.822 64.397,8.463 64.584,8.276 64.584,7.155 63.8,6.371 63.8,4.741 64.003,4.538 v3(64.003,4.479)
CM_USB_OTG: MOD100.101 R200.1 R202.2 TP200.1 | length 45.9
  L1 [TOP] w0.15: R200.1@8.55,25.3 14.536,25.3 15.569,24.267 15.569,21.871 16.691,20.75 36.325,20.75 37.903,19.172 40.128,19.172 41.05,18.25 41.05,16.445 40.55,15.945 40.55,13.373 40.377,13.2 v1(39.8,13.2) MOD100.101@39.8,14.08 ; R200.1@8.55,25.4 R202.2@8.55,26.7
  L4 [BOT] w0.15: TP200.1@38.85,13.2 v1(39.8,13.2)
ETH_D0_N: J500.2 MOD100.10 U501.2 U501.9 | length 64.3
  L1 [TOP] w0.102: U501.9@65.563,16.35 U501.2@66.438,16.35
  L1 [TOP] w0.112: MOD100.10@38.2,44.92 38.2,44.66 38.132,44.592 38.132,44.138 v3(38.415,43.855) ; v3(47.75,35.3) 47.75,35.258 47.532,35.04 47.532,31.766 51.135,28.163 51.135,25.255 60.157,16.232 62.697,16.232 62.872,16.408 63.182,16.408 63.358,16.232 65.215,16.232 65.281,16.298 65.281,16.306 65.325,16.35 U501.9@65.563,16.35 ; U501.2@66.438,16.35 66.675,16.35 66.719,16.306 66.719,16.298 66.785,16.232 67.468,16.232 67.967,15.733 69.733,15.733 71.45,17.45 71.45,20.396 72.356,21.302 74.396,21.302 74.864,20.834 74.864,18.427 74.684,18.246 74.684,16.696 J500.2@74.73,16.65
  L4 [BOT] w0.112: v3(38.415,43.855) 38.132,43.572 38.132,42.65 38.352,42.43 38.83,42.43 39,42.6 39.2,42.6 39.37,42.43 42.225,42.43 47.314,37.341 47.314,35.777 47.75,35.342 v3(47.75,35.3)
ETH_D0_P: J500.1 MOD100.12 U501.1 U501.10 | length 64.3
  L1 [TOP] w0.102: U501.10@65.563,15.85 U501.1@66.438,15.85
  L1 [TOP] w0.112: v3(37.585,43.855) 37.868,44.138 37.868,44.592 37.8,44.66 MOD100.12@37.8,44.92 ; v3(47.05,35.3) 47.05,35.258 47.268,35.04 47.268,31.656 47.455,31.469 50.87,28.054 50.87,25.145 60.048,15.968 65.215,15.968 65.281,15.902 65.281,15.894 65.325,15.85 U501.10@65.563,15.85 ; U501.1@66.438,15.85 66.675,15.85 66.719,15.894 66.719,15.902 66.785,15.968 67.358,15.968 67.857,15.469 69.843,15.469 71.714,17.34 71.714,18.248 71.902,18.435 71.902,18.788 71.714,18.976 71.714,20.286 72.466,21.038 74.287,21.038 74.6,20.724 74.6,18.536 74.157,18.093 73.702,18.093 73.46,18.335 J500.1@73.46,19.19
  L4 [BOT] w0.112: v3(37.585,43.855) 37.868,43.572 37.868,42.54 38.243,42.166 42.116,42.166 47.05,37.232 47.05,35.668 47.066,35.652 47.066,35.315 v3(47.05,35.3)
ETH_D1_N: J500.6 MOD100.6 U501.5 U501.6 | length 67.8
  L1 [TOP] w0.102: U501.6@65.563,17.85 U501.5@66.437,17.85
  L1 [TOP] w0.112: MOD100.6@39,44.92 39,45.18 39.068,45.248 39.068,45.568 39.35,45.85 42.024,45.85 43.237,44.637 v3(43.637,44.637) ; v3(49.65,35.3) 49.65,35.258 49.432,35.04 49.432,31.459 52.262,28.63 52.262,28.521 52.262,25.722 60.251,17.732 65.215,17.732 65.281,17.798 65.281,17.806 65.325,17.85 U501.6@65.563,17.85 ; U501.5@66.437,17.85 66.675,17.85 66.719,17.806 66.719,17.798 66.785,17.732 67.332,17.732 67.85,18.25 69.526,18.25 70.236,18.96 70.236,21.263 71.484,22.511 77.563,22.511 78.423,21.651 78.423,20.477 78.7,20.2 79.4,20.2 79.81,19.79 J500.6@79.81,16.65
  L4 [BOT] w0.112: v3(43.637,44.637) 43.637,44.237 44.75,43.124 44.75,42.524 49.064,38.21 49.064,36.71 49.432,36.342 49.432,35.56 49.65,35.342 v3(49.65,35.3)
ETH_D1_P: J500.3 MOD100.4 U501.4 U501.7 | length 67.8
  L1 [TOP] w0.102: U501.7@65.563,17.35 U501.4@66.437,17.35
  L1 [TOP] w0.112: MOD100.4@39.4,44.92 39.4,45.18 39.332,45.248 39.332,45.458 39.46,45.586 41.914,45.586 43.05,44.45 v3(43.05,44.05) ; v3(48.95,35.3) 48.95,35.258 49.168,35.04 49.168,31.35 51.997,28.521 51.997,25.612 60.064,17.545 60.141,17.468 65.215,17.468 65.281,17.402 65.281,17.394 65.325,17.35 U501.7@65.563,17.35 ; U501.4@66.437,17.35 66.675,17.35 66.719,17.394 66.719,17.402 66.785,17.468 67.442,17.468 67.96,17.986 68.314,17.986 68.6,17.7 68.9,17.7 69.186,17.986 69.636,17.986 70.5,18.85 70.5,21.153 71.594,22.247 75.853,22.247 76.046,22.054 76.254,22.054 76.447,22.247 77.453,22.247 78.159,21.541 78.159,20.505 77.272,19.619 77.272,18.172 77.012,17.912 76.38,17.912 76,18.292 J500.3@76,19.19
  L4 [BOT] w0.112: v3(43.05,44.05) 43.45,44.05 44.486,43.014 44.486,42.414 47.947,38.953 47.947,38.639 48.074,38.512 48.388,38.512 48.8,38.1 48.8,36.6 49.168,36.232 49.168,35.56 48.95,35.342 v3(48.95,35.3)
ETH_D2_N: J500.8 MOD100.9 U500.2 U500.9 | length 72.1
  L1 [TOP] w0.102: U500.9@65.563,19.65 U500.2@66.437,19.65
  L1 [TOP] w0.112: MOD100.9@38.2,48 38.2,47.74 38.132,47.672 38.132,47.392 38.66,46.864 43.02,46.864 43.264,47.108 43.592,47.108 43.836,46.864 44.136,46.864 46.35,44.65 v3(46.75,44.65) ; v3(51.55,35.3) 51.55,35.258 51.332,35.04 51.332,31.205 53.425,29.112 53.425,26.231 60.124,19.532 65.215,19.532 65.281,19.598 65.281,19.606 65.325,19.65 U500.9@65.563,19.65 ; U500.2@66.437,19.65 66.675,19.65 66.719,19.606 66.719,19.598 66.785,19.532 68.458,19.532 68.936,20.01 68.936,22.017 70.616,23.697 78.277,23.697 79.945,22.029 81.098,22.029 82.464,20.662 82.464,18.452 82.304,18.292 82.304,16.696 J500.8@82.35,16.65
  L4 [BOT] w0.112: v3(46.75,44.65) 46.75,44.25 47.614,43.386 47.614,41.886 50.414,39.086 50.414,37.06 51.332,36.142 51.332,35.56 51.55,35.342 v3(51.55,35.3)
ETH_D2_P: J500.7 MOD100.11 U500.1 U500.10 | length 72.1
  L1 [TOP] w0.102: U500.10@65.563,19.15 U500.1@66.437,19.15
  L1 [TOP] w0.112: MOD100.11@37.8,48 37.8,47.74 37.868,47.672 37.868,47.282 38.55,46.6 44.026,46.6 46.163,44.463 v3(46.163,44.063) ; v3(50.85,35.3) 50.85,35.258 51.068,35.04 51.068,31.095 53.161,29.003 53.161,26.122 53.238,26.044 60.014,19.268 65.215,19.268 65.281,19.202 65.281,19.194 65.325,19.15 U500.10@65.563,19.15 ; U500.1@66.437,19.15 66.675,19.15 66.719,19.194 66.719,19.202 66.785,19.268 68.568,19.268 69.2,19.9 69.2,21.907 70.726,23.433 78.167,23.433 79.836,21.764 80.988,21.764 82.2,20.553 82.2,18.562 81.826,18.188 81.212,18.188 81.08,18.32 J500.7@81.08,19.19
  L4 [BOT] w0.112: v3(46.163,44.063) 46.563,44.063 47.35,43.276 47.35,41.776 50.15,38.976 50.15,36.95 51.068,36.032 51.068,35.56 50.85,35.342 v3(50.85,35.3)
ETH_D3_N: J500.10 MOD100.5 U500.5 U500.6 | length 75.4
  L1 [TOP] w0.102: U500.6@65.563,21.15 U500.5@66.437,21.15
  L1 [TOP] w0.112: MOD100.5@39,48 39,48.26 39.068,48.328 39.068,48.592 40.076,49.6 45,49.6 49.9,44.7 49.9,44.126 v3(50.183,43.843) ; v3(53.45,35.3) 53.45,35.258 53.232,35.04 53.232,30.926 54.572,29.587 54.572,26.678 58.45,22.8 58.767,22.8 58.908,22.658 58.908,22.342 60.218,21.032 65.215,21.032 65.281,21.098 65.281,21.106 65.325,21.15 U500.6@65.563,21.15 ; U500.5@66.437,21.15 66.675,21.15 66.719,21.106 66.719,21.098 66.785,21.032 67.082,21.032 67.7,21.65 67.7,22.8 69.65,24.75 79.074,24.75 80.561,23.263 82.063,23.263 85.364,19.962 85.364,18.579 84.844,18.059 84.844,16.696 J500.10@84.89,16.65
  L4 [BOT] w0.112: v3(50.183,43.843) 49.9,43.56 49.9,41.974 51.869,40.005 51.869,37.855 53.232,36.492 53.232,35.56 53.45,35.342 v3(53.45,35.3)
ETH_D3_P: J500.9 MOD100.3 U500.4 U500.7 | length 75.4
  L1 [TOP] w0.102: U500.7@65.563,20.65 U500.4@66.437,20.65
  L1 [TOP] w0.112: MOD100.3@39.4,48 39.4,48.26 39.332,48.328 39.332,48.482 40.186,49.336 41.532,49.336 41.734,49.134 41.96,49.134 42.161,49.336 44.89,49.336 46.773,47.453 46.77,47.45 46.77,47.139 46.91,47 47.226,47 48.787,45.439 48.787,45.164 48.921,45.03 49.196,45.03 49.636,44.59 49.636,44.126 v3(49.353,43.843) ; v3(52.75,35.3) 52.75,35.258 52.968,35.04 52.968,30.817 53.123,30.662 54.307,29.477 54.307,26.569 60.108,20.768 65.215,20.768 65.281,20.702 65.281,20.694 65.325,20.65 U500.7@65.563,20.65 ; U500.4@66.437,20.65 66.675,20.65 66.719,20.694 66.719,20.702 66.785,20.768 67.192,20.768 67.964,21.54 67.964,22.69 69.76,24.486 78.964,24.486 80.451,22.999 81.954,22.999 85.1,19.852 85.1,18.689 84.486,18.075 83.822,18.075 83.62,18.277 J500.9@83.62,19.19
  L4 [BOT] w0.112: v3(49.353,43.843) 49.636,43.56 49.636,41.864 50.743,40.757 50.743,40.606 50.852,40.497 51.004,40.497 51.604,39.896 51.604,37.746 51.682,37.668 52.968,36.382 52.968,35.56 52.75,35.342 v3(52.75,35.3)
ETH_LED_nACT: MOD100.15 R500.1 | length 71.1
  L1 [TOP] w0.15: MOD100.15@37,48 37,47.001 37.753,46.248 v1(37.753,46.219) ; v1(55.325,31.725) 55.35,31.7 56.156,31.7 56.55,31.306 56.55,30.288 57.538,29.3 59.463,29.3 59.913,28.85 65.65,28.85 65.9,29.1 67.7,29.1 69.85,26.95 78.95,26.95 81.15,24.75 82.35,24.75 82.374,24.75 83.349,23.775 89.5,23.775 90,23.275 R500.1@90,22.5
  L4 [BOT] w0.15: v1(37.753,46.219) 37.798,46.219 38.129,46.55 49.774,46.55 54.462,41.862 54.462,38.539 55.325,37.676 v1(55.325,31.725)
ETH_LED_nSPD: MOD100.17 R501.1 | length 71.3
  L1 [TOP] w0.15: MOD100.17@36.6,48 36.6,45.969 v1(36.622,45.947) ; v1(55.9,31.1) 55.9,30.407 57.33,28.976 59.325,28.976 59.751,28.55 65.774,28.55 66.024,28.8 67.576,28.8 69.726,26.65 78.826,26.65 81.026,24.45 82.25,24.45 83.25,23.45 88.512,23.45 88.6,23.362 R501.1@88.6,22.5
  L4 [BOT] w0.15: v1(36.622,45.947) 37.524,46.85 49.899,46.85 54.762,41.986 54.762,38.663 55.625,37.8 55.625,32.55 55.9,32.275 v1(55.9,31.1)
FAN1_PWM: J802.4 U801.5 | length 6.6
  L4 [BOT] w0.15: U801.5@59.325,25.5 59.325,24.475 59.66,24.14 60.99,24.14 61.74,24.89 62.75,24.89
  L4 [BOT] w0.5: 62.75,24.89 J802.4@64.5,24.89
FAN1_PWR: J802.2 Q802.3 R807.1 | length 15.2
  L1 [TOP] w0.3: R807.1@75.339,33.147 75.343,33.147 75.566,32.925 75.566,32.921 75.7,32.786 75.7,30.875
  L1 [TOP] w0.5: J802.2@64.5,29.97 64.625,30.095 72.275,30.095 ; Q802.3@72.325,31.3 72.325,30.145 72.275,30.095 ; 75.7,30.875 74.92,30.095 72.275,30.095
FAN1_TACH: J802.3 R801.1 U801.6 | length 14.1
  L1 [TOP] w0.15: R801.1@59,25.2 60.955,25.2 61.826,26.071 61.826,27.057 62.199,27.43 62.974,27.43
  L1 [TOP] w0.5: 62.974,27.43 J802.3@64.5,27.43
  L4 [BOT] w0.15: U801.6@58.675,25.5 58.683,25.508 58.683,26.337 58.809,26.462 61.29,26.462 62.258,27.43 62.974,27.43
  L4 [BOT] w0.5: 62.974,27.43 J802.3@64.5,27.43